# KiCad board zilpzalp.kicad_pcb
title: ilo; rev: v1.0.0; company: Unknown
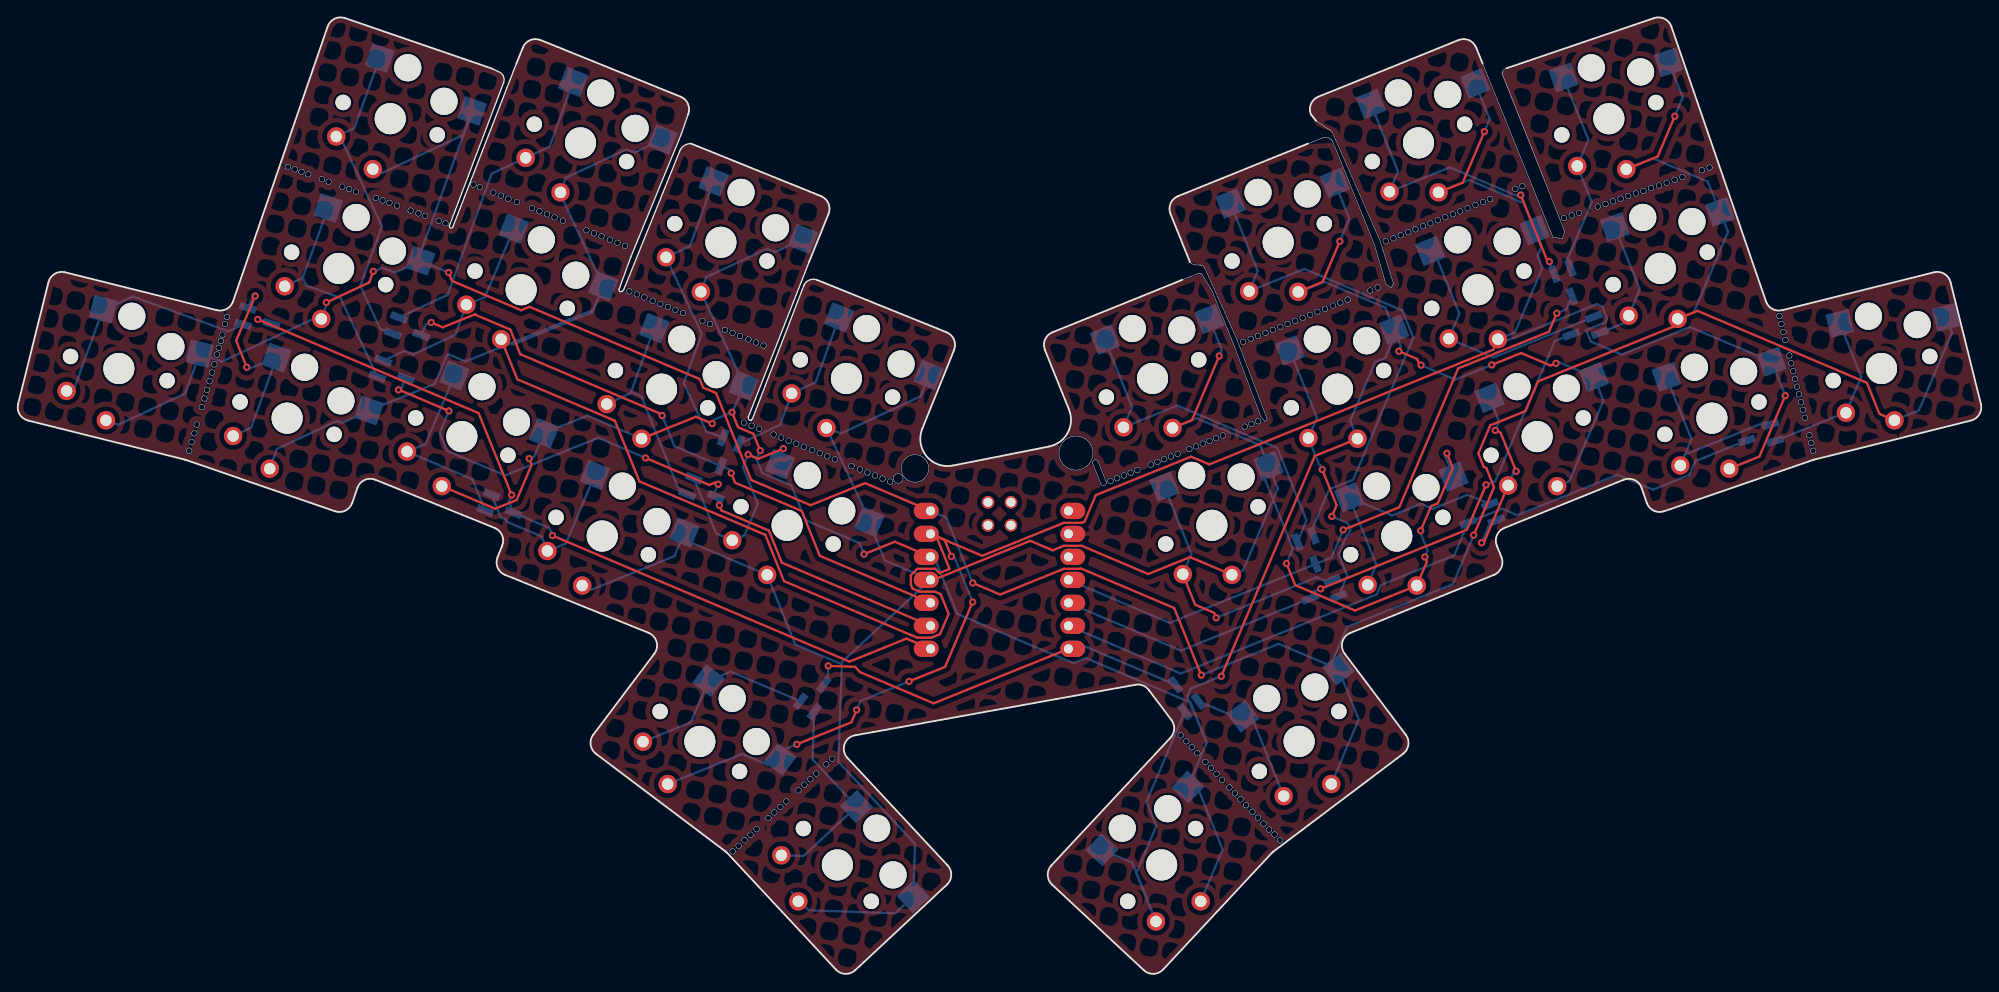
[diagram p0: board, top side]
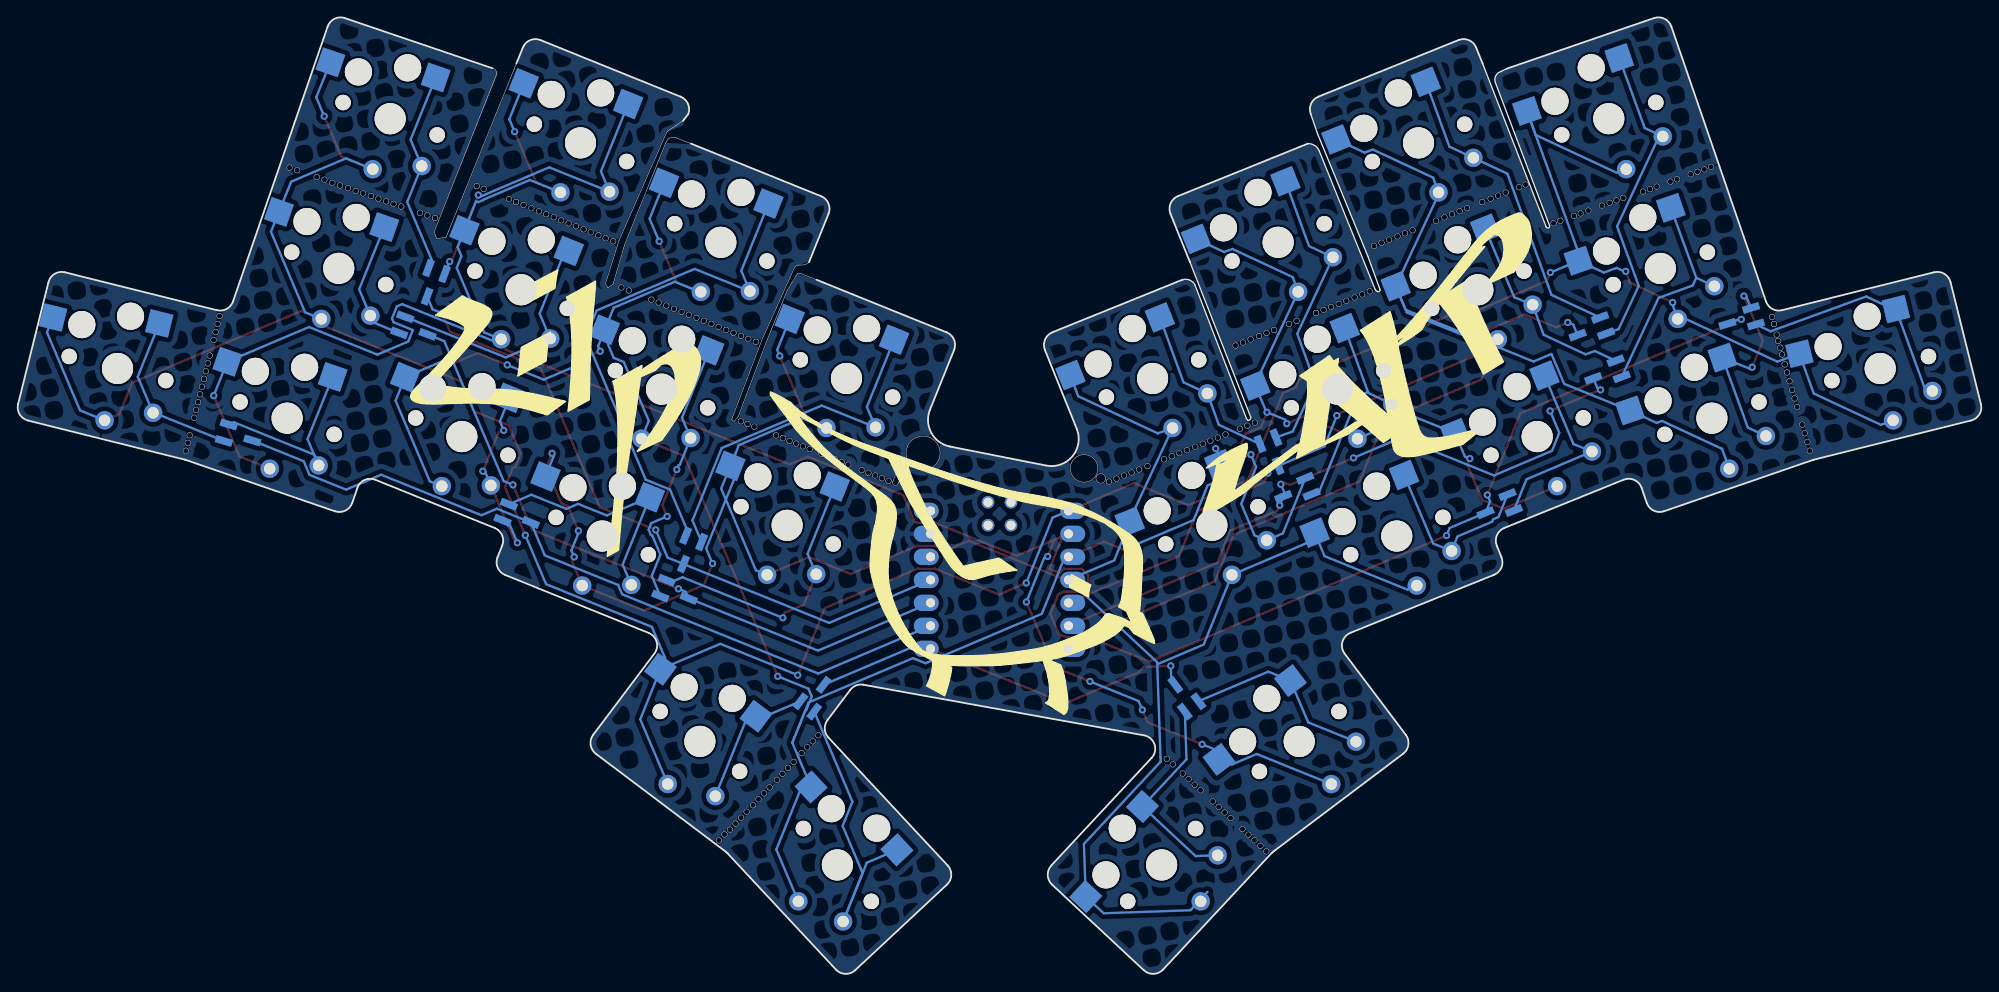
[diagram p1: board, bottom side, seen from below]

Outline 216.99 x 105.68 mm; copper layers: Top, Bottom. Coordinates in mm from the lower left corner of the outline.
Outline path: circle c18.95,57.8 r0.32 ; circle c19.22,58.77 r0.32 ; circle c19.51,59.73 r0.32 ; circle c19.79,60.69 r0.32 ; circle c20.35,62.62 r0.32 ; circle c20.63,63.58 r0.32 ; circle c20.91,64.52 r0.32 ; circle c21.2,65.48 r0.32 ; circle c21.48,66.45 r0.32 ; circle c21.73,67.34 r0.32 ; circle c22.02,68.43 r0.32 ; circle c22.22,69.18 r0.32 ; circle c22.45,69.92 r0.32 ; circle c22.61,70.62 r0.32 ; circle c22.91,71.8 r0.32 ; circle c23.12,72.58 r0.32 ; circle c29.86,89.17 r0.32 ; circle c30.61,88.89 r0.32 ; circle c31.36,88.62 r0.32 ; circle c32.11,88.34 r0.32 ; circle c33.62,87.8 r0.32 ; circle c34.37,87.52 r0.32 ; circle c35.87,86.98 r0.32 ; circle c36.62,86.7 r0.32 ; circle c37.37,86.43 r0.32 ; circle c39.57,85.74 r0.32 ; circle c40.32,85.46 r0.32 ; circle c41.07,85.19 r0.32 ; circle c41.92,84.88 r0.32 ; circle c43.42,84.33 r0.32 ; circle c44.27,84.03 r0.32 ; circle c45.02,83.75 r0.32 ; circle c46.52,83.21 r0.32 ; circle c47.28,82.93 r0.32 ; circle c50.36,87.21 r0.32 ; circle c51.07,86.92 r0.32 ; circle c52.56,86.32 r0.32 ; circle c53.39,85.98 r0.32 ; circle c54.22,85.65 r0.32 ; circle c55.15,85.27 r0.32 ; circle c56.82,84.6 r0.32 ; circle c57.66,84.26 r0.32 ; circle c58.49,83.92 r0.32 ; circle c59.32,83.59 r0.32 ; circle c60.25,83.21 r0.32 ; circle c62.85,82.16 r0.32 ; circle c63.68,81.83 r0.32 ; circle c64.52,81.49 r0.32 ; circle c65.44,81.11 r0.32 ; circle c66.28,80.78 r0.32 ; circle c67.11,80.44 r0.32 ; circle c67.58,75.42 r0.32 ; circle c68.42,75.08 r0.32 ; circle c69.25,74.74 r0.32 ; circle c70.18,74.37 r0.32 ; circle c71.01,74.03 r0.32 ; circle c71.85,73.69 r0.32 ; circle c72.68,73.36 r0.32 ; circle c73.51,73.02 r0.32 ; circle c75.66,72.15 r0.32 ; circle c76.5,71.81 r0.32 ; circle c78.15,71.14 r0.32 ; circle c78.99,70.81 r0.32 ; circle c79.01,13.54 r0.32 ; circle c79.67,14.15 r0.32 ; circle c79.82,70.47 r0.32 ; circle c80.27,60.91 r0.32 ; circle c80.33,14.77 r0.32 ; circle c80.75,70.1 r0.32 ; circle c80.98,15.38 r0.32 ; circle c81.1,60.57 r0.32 ; circle c81.58,69.76 r0.32 ; circle c81.64,15.99 r0.32 ; circle c81.94,60.23 r0.32 ; circle c82.42,69.42 r0.32 ; circle c82.96,17.22 r0.32 ; circle c83.53,59.59 r0.32 ; circle c83.62,17.83 r0.32 ; circle c84.27,18.45 r0.32 ; circle c84.36,59.25 r0.32 ; circle c84.93,19.06 r0.32 ; circle c85.2,58.91 r0.32 ; circle c86.03,58.58 r0.32 ; circle c86.27,20.29 r0.32 ; circle c86.87,58.24 r0.32 ; circle c86.93,20.9 r0.32 ; circle c87.59,21.52 r0.32 ; circle c87.79,57.87 r0.32 ; circle c88.25,22.13 r0.32 ; circle c88.63,57.53 r0.32 ; circle c89.34,23.15 r0.32 ; circle c89.46,57.19 r0.32 ; circle c90,23.77 r0.32 ; circle c90.3,56.85 r0.32 ; circle c92.14,56.11 r0.32 ; circle c93.06,55.74 r0.32 ; circle c93.9,55.4 r0.32 ; circle c94.73,55.06 r0.32 ; circle c95.57,54.72 r0.32 ; circle c96.4,54.39 r0.32 ; circle c97.3,54.74 r0.53 ; circle c99.15,55.85 r1.53 ; circle c116.94,57.54 r1.88 ; circle c120.76,54.47 r0.32 ; circle c121.5,54.77 r0.32 ; circle c122.24,55.07 r0.32 ; circle c122.98,55.37 r0.32 ; circle c123.72,55.67 r0.32 ; circle c125.21,56.27 r0.32 ; circle c125.95,56.57 r0.32 ; circle c126.69,56.86 r0.32 ; circle c127.43,57.16 r0.32 ; circle c128.17,57.46 r0.32 ; circle c128.52,26.36 r0.32 ; circle c129.13,25.7 r0.32 ; circle c129.47,57.99 r0.32 ; circle c129.74,25.04 r0.32 ; circle c130.21,58.29 r0.32 ; circle c130.36,24.39 r0.32 ; circle c130.96,58.59 r0.32 ; circle c131.25,23.42 r0.32 ; circle c131.7,58.89 r0.32 ; circle c131.86,22.77 r0.32 ; circle c132.44,59.19 r0.32 ; circle c132.48,22.11 r0.32 ; circle c133.09,21.45 r0.32 ; circle c133.18,59.49 r0.32 ; circle c133.89,20.61 r0.32 ; circle c134.51,19.95 r0.32 ; circle c135.12,19.29 r0.32 ; circle c135.42,69.83 r0.32 ; circle c135.59,60.46 r0.32 ; circle c135.74,18.64 r0.32 ; circle c136.25,70.17 r0.32 ; circle c136.33,60.76 r0.32 ; circle c136.44,17.92 r0.32 ; circle c137.05,17.26 r0.32 ; circle c137.06,70.49 r0.32 ; circle c137.07,61.06 r0.32 ; circle c137.67,16.6 r0.32 ; circle c137.89,70.83 r0.32 ; circle c138.28,15.94 r0.32 ; circle c138.7,71.15 r0.32 ; circle c138.89,15.41 r0.32 ; circle c139.5,14.75 r0.32 ; circle c139.53,71.49 r0.32 ; circle c140.33,71.81 r0.32 ; circle c141.17,72.15 r0.32 ; circle c141.99,72.48 r0.32 ; circle c142.82,72.82 r0.32 ; circle c143.63,73.14 r0.32 ; circle c144.46,73.48 r0.32 ; circle c145.33,73.83 r0.32 ; circle c146.16,74.17 r0.32 ; circle c146.96,74.49 r0.32 ; circle c149.45,75.5 r0.32 ; circle c150.29,75.84 r0.32 ; circle c151.19,80.94 r0.32 ; circle c152.02,81.28 r0.32 ; circle c152.82,81.61 r0.32 ; circle c153.66,81.94 r0.32 ; circle c154.46,82.27 r0.32 ; circle c155.3,82.61 r0.32 ; circle c156.1,82.93 r0.32 ; circle c156.93,83.27 r0.32 ; circle c157.75,83.6 r0.32 ; circle c158.59,83.94 r0.32 ; circle c159.39,84.26 r0.32 ; circle c160.23,84.6 r0.32 ; circle c161.09,84.95 r0.32 ; circle c161.93,85.28 r0.32 ; circle c162.7,85.6 r0.32 ; circle c165.5,86.73 r0.32 ; circle c166.27,87.04 r0.32 ; circle c170.87,83.51 r0.32 ; circle c171.72,83.81 r0.32 ; circle c172.54,84.09 r0.32 ; circle c174.61,84.78 r0.32 ; circle c175.46,85.07 r0.32 ; circle c176.28,85.36 r0.32 ; circle c177.13,85.65 r0.32 ; circle c177.97,85.94 r0.32 ; circle c178.82,86.23 r0.32 ; circle c179.64,86.51 r0.32 ; circle c180.49,86.81 r0.32 ; circle c181.37,87.11 r0.32 ; circle c182.22,87.4 r0.32 ; circle c183.1,87.74 r0.32 ; circle c183.95,88.03 r0.32 ; circle c186.11,88.79 r0.32 ; circle c186.96,89.09 r0.32 ; circle c194.68,72.69 r0.32 ; circle c194.9,71.81 r0.32 ; circle c195.12,70.91 r0.32 ; circle c195.34,70.03 r0.32 ; circle c195.77,68.32 r0.32 ; circle c195.98,67.46 r0.32 ; circle c196.2,66.59 r0.32 ; circle c196.41,65.75 r0.32 ; circle c196.63,64.88 r0.32 ; circle c196.84,64.03 r0.32 ; circle c197.06,63.16 r0.32 ; circle c197.27,62.32 r0.32 ; circle c197.48,61.45 r0.32 ; circle c197.99,59.51 r0.32 ; circle c198.19,58.67 r0.32 ; circle c198.41,57.8 r0.32 ; 0.04,62.96 3.4,76.42 arc(4.08,77.35) 5.22,77.52 22.01,73.33 arc(23.09,73.47) 23.79,74.3 34.25,104.67 arc(35.01,105.53) 36.16,105.6 52.44,100.01 53.08,99.7 arc(53.65,99.22) 53.69,98.47 47.71,82.67 arc(47.83,82.41) 48.09,82.53 55.11,100.58 55.82,102.34 arc(56.63,103.16) 57.77,103.17 73.26,96.92 arc(74.08,96.11) 74.09,94.96 73.34,92.81 67.75,79.2 66.45,75.63 arc(66.53,75.4) 66.78,75.42 66.96,75.56 73.18,90.95 arc(73.67,91.53) 74.4,91.74 88.77,85.93 arc(89.59,85.12) 89.6,83.98 87.45,78.64 80.75,61.56 arc(80.78,61.27) 81.05,61.15 81.21,61.37 86.9,76.11 arc(87.48,76.65) 88.28,76.69 102.65,70.89 arc(103.47,70.08) 103.48,68.93 99.96,60.23 arc(100.43,57.19) 103.32,56.16 113.98,58.27 arc(116.04,59.78) 116.18,62.34 113.51,68.93 arc(113.52,70.08) 114.34,70.89 128.71,76.69 130.52,77.41 arc(130.7,77.41) 130.85,77.33 131.96,75.5 134.3,69.7 137.36,61.61 137.8,61.03 138.09,61.26 134.79,69.95 131.13,78.07 arc(130.93,78.24) 130.67,78.32 130.17,78.33 arc(129.83,78.43) 129.54,78.64 127.39,83.98 arc(127.4,85.12) 128.22,85.93 142.59,91.74 144.35,92.43 arc(144.94,92.34) 145.34,91.9 149.93,80.54 151.2,76.2 151.79,75.8 152.03,76.27 150.55,81.01 145.31,92.91 arc(145.05,93.2) 144.72,93.4 143.47,94.26 142.9,94.96 arc(142.91,96.11) 143.73,96.92 159.22,103.17 arc(160.36,103.16) 161.17,102.34 161.88,100.58 169.65,81.39 170.69,81.22 170.97,81.98 164.12,99.26 arc(164.08,99.63) 164.27,99.94 164.52,100.06 180.83,105.6 arc(181.97,105.53) 182.74,104.67 193.19,74.3 arc(193.9,73.47) 194.98,73.33 211.77,77.52 arc(212.9,77.35) 213.59,76.42 216.94,62.96 arc(216.77,61.82) 215.85,61.14 198.51,56.82 arc(198.45,56.8) 198.39,56.78 181.93,51.11 arc(180.78,51.18) 180.02,52.04 179.45,53.7 arc(178.66,54.57) 177.47,54.6 164.28,49.27 arc(163.46,48.46) 163.45,47.31 163.96,46.04 arc(163.95,44.89) 163.13,44.09 147.27,37.68 arc(146.39,36.69) 146.63,35.38 153.39,26.42 arc(153.68,25.31) 153.09,24.32 138.76,13.52 arc(138.66,13.44) 138.57,13.35 126.57,0.48 arc(125.52,0) 124.45,0.4 114.3,9.87 arc(113.82,10.91) 114.23,11.99 127.4,26.11 arc(127.8,27.06) 127.5,28.04 124.99,31.38 arc(124.34,31.87) 123.52,31.95 92.52,26.36 arc(91.36,25.36) 91.69,23.86 102.76,11.99 arc(103.16,10.91) 102.69,9.87 92.54,0.4 arc(91.47,0) 90.42,0.48 78.42,13.35 arc(78.33,13.44) 78.23,13.52 63.9,24.32 arc(63.31,25.31) 63.6,26.42 70.35,35.38 arc(70.6,36.69) 69.72,37.68 53.85,44.09 arc(53.04,44.89) 53.03,46.04 53.54,47.31 arc(53.53,48.46) 52.71,49.27 39.52,54.6 arc(38.33,54.57) 37.54,53.7 36.97,52.04 arc(36.21,51.18) 35.06,51.11 18.6,56.78 arc(18.54,56.8) 18.48,56.82 1.14,61.14 arc(0.21,61.82) 0.04,62.96 ; 118.8,56.37 arc(118.97,56.78) 119.39,56.61 120.29,54.37 arc(120.11,53.97) 119.71,54.13 118.8,56.37

## Placement (name value [footprint] x y rotation side)
D01  BAV70_Small  [SOT-23_Handsoldering#3]  43.19 71.1 339.5 bottom
D02  BAV70_Small  [SOT-23_Handsoldering]  78.26 57.51 248 bottom
D03  BAV70_Small  [SOT-23_Handsoldering#3]  41.47 66.33 339.5 bottom
D04  BAV70_Small  [SOT-23_Handsoldering#2]  75.74 53.31 338 bottom
D05  BAV70_Small  [SOT-23_Handsoldering#3]  26.6 72.24 343.5 bottom
D06  BAV70_Small  [SOT-23_Handsoldering#2]  53.39 51.51 338 bottom
D07  BAV70_Small  [SOT-23_Handsoldering#2]  88.16 30.74 53 bottom
D08  BAV70_Small  [SOT-23_Handsoldering#2]  128.82 30.75 127 bottom
D09  BAV70_Small  [SOT-23_Handsoldering#2]  161.67 50.44 202 bottom
D10  BAV70_Small  [SOT-23_Handsoldering#2]  192.49 59.37 196.5 bottom
D11  BAV70_Small  [SOT-23_Handsoldering#2]  144.23 42.06 202 bottom
D12  BAV70_Small  [SOT-23_Handsoldering#2]  173.09 71.18 200.5 bottom
D13  BAV70_Small  [SOT-23_Handsoldering]  142.85 46.68 292 bottom
D14  BAV70_Small  [SOT-23_Handsoldering#4]  171.22 76.26 290.5 bottom
SW1  SW_Push  [SW_Kailh_choc_hs_plus_solder_no_silk#5]  41.16 94.49 341 top
SW2  SW_Push  [SW_Kailh_choc_hs_plus_solder_no_silk]  62.19 91.81 338 top
SW3  SW_Push  [SW_Kailh_choc_hs_plus_solder_no_silk]  77.7 80.83 338 top
SW4  SW_Push  [SW_Kailh_choc_hs_plus_solder_no_silk]  91.58 65.78 338 top
SW5  SW_Push  [SW_Kailh_choc_hs_plus_solder_no_silk#5]  35.46 77.94 341 top
SW6  SW_Push  [SW_Kailh_choc_hs_plus_solder_no_silk]  55.63 75.59 338 top
SW7  SW_Push  [SW_Kailh_choc_hs_plus_solder_no_silk]  71.14 64.6 338 top
SW8  SW_Push  [SW_Kailh_choc_hs_plus_solder_no_silk]  85.02 49.56 338 top
SW9  SW_Push  [SW_Kailh_choc_hs_plus_solder_no_silk#6]  11.17 66.88 346 top
SW10  SW_Push  [SW_Kailh_choc_hs_plus_solder_no_silk#5]  29.77 61.4 341 top
SW11  SW_Push  [SW_Kailh_choc_hs_plus_solder_no_silk]  49.08 59.36 338 top
SW12  SW_Push  [SW_Kailh_choc_hs_plus_solder_no_silk]  64.59 48.38 338 top
SW13  SW_Push  [SW_Kailh_choc_hs_plus_solder_no_silk#3]  75.37 25.68 323 top
SW14  SW_Push  [SW_Kailh_choc_hs_plus_solder_no_silk#2]  90.57 12.04 313 top
SW15  SW_Push  [SW_Kailh_choc_hs_plus_solder_no_silk#2]  126.41 12.04 47 top
SW16  SW_Push  [SW_Kailh_choc_hs_plus_solder_no_silk#7]  141.6 25.69 37 top
SW17  SW_Push  [SW_Kailh_choc_hs_plus_solder_no_silk#3]  152.39 48.38 22 top
SW18  SW_Push  [SW_Kailh_choc_hs_plus_solder_no_silk#3]  167.9 59.36 22 top
SW19  SW_Push  [SW_Kailh_choc_hs_plus_solder_no_silk#4]  187.21 61.4 19 top
SW20  SW_Push  [SW_Kailh_choc_hs_plus_solder_no_silk#4]  205.96 66.89 14 top
SW21  SW_Push  [SW_Kailh_choc_hs_plus_solder_no_silk#3]  131.96 49.56 22 top
SW22  SW_Push  [SW_Kailh_choc_hs_plus_solder_no_silk#3]  145.83 64.6 22 top
SW23  SW_Push  [SW_Kailh_choc_hs_plus_solder_no_silk#3]  161.35 75.59 22 top
SW24  SW_Push  [SW_Kailh_choc_hs_plus_solder_no_silk#4]  181.51 77.95 19 top
SW25  SW_Push  [SW_Kailh_choc_hs_plus_solder_no_silk#3]  125.4 65.79 22 top
SW26  SW_Push  [SW_Kailh_choc_hs_plus_solder_no_silk#3]  139.29 80.82 22 top
SW27  SW_Push  [SW_Kailh_choc_hs_plus_solder_no_silk#3]  154.79 91.82 22 top
SW28  SW_Push  [SW_Kailh_choc_hs_plus_solder_no_silk#4]  175.83 94.48 19 top
U1  xiao  [xiao-tht]  108.49 43.53 0 top

## Library data of the parts
D01 D02 D03 D04 D05 D06 D07 D08 D09-D14 = -: Description: Dual 100V 215mA high-speed switching diodes, common cathode, SOT-23
SW1-SW28 = -: Description: Push button switch, generic, two pins

## Footprints (pads in the part's own frame, mm; a bottom-side part is the same pattern mirrored in y, then rotated)
SOT-23_Handsoldering
  rect 1.9x0.8 smd: 1(-1.5,0.95) 2(-1.5,-0.95) 3(1.5,0)
SOT-23_Handsoldering#2
  rect 1.9x0.8 smd: 1(-1.5,0.95) 2(-1.5,-0.95) 3(1.5,0)
SOT-23_Handsoldering#3
  rect 1.9x0.8 smd: 1(-1.5,0.95) 2(-1.5,-0.95) 3(1.5,0)
SOT-23_Handsoldering#4
  rect 1.9x0.8 smd: 1(-1.5,0.95) 2(-1.5,-0.95) 3(1.5,0)
SW_Kailh_choc_hs_plus_solder_no_silk
  round 1.702 hole 1.702 unplated: (-5.5,0) (5.5,0)
  round 3 hole 3 unplated: (0,5.95) (5,3.75)
  round 3.429 hole 3.429 unplated: (0,0)
  round 2.032 hole 1.27: 1(0,-5.9) 2(-5,-3.8)
  rect 2.6x2.6 smd far side: 1(8.275,3.75) 2(-3.275,5.95)
SW_Kailh_choc_hs_plus_solder_no_silk#2
  round 1.702 hole 1.702 unplated: (-5.5,0) (5.5,0)
  round 3 hole 3 unplated: (0,5.95) (5,3.75)
  round 3.429 hole 3.429 unplated: (0,0)
  round 2.032 hole 1.27: 1(0,-5.9) 2(-5,-3.8)
  rect 2.6x2.6 smd far side: 1(8.275,3.75) 2(-3.275,5.95)
SW_Kailh_choc_hs_plus_solder_no_silk#3
  round 1.702 hole 1.702 unplated: (-5.5,0) (5.5,0)
  round 3 hole 3 unplated: (0,5.95) (5,3.75)
  round 3.429 hole 3.429 unplated: (0,0)
  round 2.032 hole 1.27: 1(0,-5.9) 2(-5,-3.8)
  rect 2.6x2.6 smd far side: 1(8.275,3.75) 2(-3.275,5.95)
SW_Kailh_choc_hs_plus_solder_no_silk#4
  round 1.702 hole 1.702 unplated: (-5.5,0) (5.5,0)
  round 3.429 hole 3.429 unplated: (0,0)
  round 3 hole 3 unplated: (0,5.95) (5,3.75)
  round 2.032 hole 1.27: 1(0,-5.9) 2(-5,-3.8)
  rect 2.6x2.6 smd far side: 1(8.275,3.75) 2(-3.275,5.95)
SW_Kailh_choc_hs_plus_solder_no_silk#5
  round 1.702 hole 1.702 unplated: (-5.5,0) (5.5,0)
  round 3.429 hole 3.429 unplated: (0,0)
  round 3 hole 3 unplated: (0,5.95) (5,3.75)
  round 2.032 hole 1.27: 1(0,-5.9) 2(-5,-3.8)
  rect 2.6x2.6 smd far side: 1(8.275,3.75) 2(-3.275,5.95)
SW_Kailh_choc_hs_plus_solder_no_silk#6
  round 1.702 hole 1.702 unplated: (-5.5,0) (5.5,0)
  round 3 hole 3 unplated: (0,5.95) (5,3.75)
  round 3.429 hole 3.429 unplated: (0,0)
  round 2.032 hole 1.27: 1(0,-5.9) 2(-5,-3.8)
  rect 2.6x2.6 smd far side: 1(8.275,3.75) 2(-3.275,5.95)
SW_Kailh_choc_hs_plus_solder_no_silk#7
  round 1.702 hole 1.702 unplated: (-5.5,0) (5.5,0)
  round 3 hole 3 unplated: (0,5.95) (5,3.75)
  round 3.429 hole 3.429 unplated: (0,0)
  round 2.032 hole 1.27: 1(0,-5.9) 2(-5,-3.8)
  rect 2.6x2.6 smd far side: 1(8.275,3.75) 2(-3.275,5.95)
xiao-tht
  oval 2.75x1.8 hole 1: 1(-7.62,7.62) 2(-7.62,5.08) 3(-7.62,2.54) 4(-7.62,0) 5(-7.62,-2.54) 6(-7.62,-5.08) 7(-7.62,-7.62) 8(7.62,-7.62) 9(7.62,-5.08) 10(7.62,-2.54) 11(7.62,0) 12(7.62,2.54) 13(7.62,5.08) 14(7.62,7.62)
  round 1.397 hole 1.016: 15(-1.27,8.572) 16(1.27,8.572) 17(-1.27,6.032) 18(1.27,6.032)

## Nets
gnd: U1.13
c1: SW1.1 SW5.1 SW9.1 SW16.1 SW20.1 SW24.1 SW28.1 U1.1
c2: SW2.1 SW6.1 SW10.1 SW13.1 SW19.1 SW23.1 SW27.1 U1.2
c3: SW3.1 SW7.1 SW11.1 SW15.1 SW18.1 SW22.1 SW26.1 U1.3
c4: SW4.1 SW8.1 SW12.1 SW14.1 SW17.1 SW21.1 SW25.1 U1.4
r1: D01.3 D02.3 U1.5
r2: D03.3 D04.3 U1.6
r3: D05.3 D06.3 U1.7
r4: D07.3 D08.3 U1.8
r5: D09.3 D10.3 U1.9
r6: D11.3 D12.3 U1.10
r7: D13.3 D14.3 U1.11
Net-(D01-A1): D01.1 SW1.2
Net-(D01-A2): D01.2 SW2.2
Net-(D02-A1): D02.1 SW3.2
Net-(D02-A2): D02.2 SW4.2
Net-(D03-A1): D03.1 SW5.2
Net-(D03-A2): D03.2 SW6.2
Net-(D04-A1): D04.1 SW7.2
Net-(D04-A2): D04.2 SW8.2
Net-(D05-A1): D05.1 SW9.2
Net-(D05-A2): D05.2 SW10.2
Net-(D06-A1): D06.1 SW11.2
Net-(D06-A2): D06.2 SW12.2
Net-(D07-A1): D07.1 SW14.2
Net-(D07-A2): D07.2 SW13.2
Net-(D08-A1): D08.1 SW16.2
Net-(D08-A2): D08.2 SW15.2
Net-(D09-A1): D09.1 SW17.2
Net-(D09-A2): D09.2 SW18.2
Net-(D10-A1): D10.1 SW19.2
Net-(D10-A2): D10.2 SW20.2
Net-(D11-A1): D11.1 SW21.2
Net-(D11-A2): D11.2 SW22.2
Net-(D12-A1): D12.1 SW23.2
Net-(D12-A2): D12.2 SW24.2
Net-(D13-A1): D13.1 SW25.2
Net-(D13-A2): D13.2 SW26.2
Net-(D14-A1): D14.1 SW27.2
Net-(D14-A2): D14.2 SW28.2

Pads without a net: U1 12 14 15 16 17 18

## Via types
v1: diameter 0.8, hole 0.4, Top to Bottom, 58 vias

## Routing (per net, layer and track width the routed paths; a pad name or vN(x,y) marks a point on that pad's centre or on a via; arc(x,y) is an arc through that point)
c1: length 361.4
  Top w0.25: v1(47.62,77.5) 47.99,76.56 55.61,73.33 56.55,73.7 75.36,65.72 75.74,64.78 77.17,64.18 81.05,54.57 87.6,51.79 93.63,54.22 U1.1 ; v1(39.29,77.62) 38.84,76.4 v1(34.1,74.18) ; SW28.1 181.22,90.31 v1(183.11,94.76) ; v1(130.79,33.01) 127.79,40.42 117.49,44.79 117.41,44.76 115.6,44.76 108.55,41.91 v1(105.53,43.19) ; SW20.1 205.73,61.86 204.34,65.31 185.62,73.25 SW24.1 183.09,71.56 168.01,65.47 166.61,62.18 162.72,60.61 161.4,57.5 162,56.01 162.28,55.89 163.14,53.77 v1(160.89,48.46)
  Bottom w0.25: SW16.1 139.34,36.47 v1(130.79,33.01) ; SW16.1 148.19,28.13 SW16.1 ; SW16.1 145.45,34.91 146.9,38.34 158.6,43.06 v1(160.89,48.46) ; SW20.1 213.75,70.87 210.09,62.26 SW20.1 ; SW28.1 184,96.84 v1(183.11,94.76) ; v1(105.53,43.19) 102.62,50.41 U1.1 ; SW5.1 44.33,79.19 SW1.1 49.24,92.69 40.31,88.52 SW1.1 ; SW5.1 41.7,77.48 40.28,78 39.38,77.58 v1(39.29,77.62) ; SW5.1 47.59,77.49 v1(47.62,77.5) ; SW24.1 185.22,73.09 189,81.99 SW24.1 186.76,87.53 180.71,90.1 SW28.1 ; v1(34.1,74.18) 34,73.9 34.06,73.77 SW5.1 33.05,72.54 22.53,67.64 SW9.1 18.51,64.12 11.09,60.67 SW9.1
c2: length 385.7
  Top w0.25: SW27.1 159.68,87.43 v1(162.07,93.05) ; U1.2 102.42,47.95 v1(103.16,46.12) ; U1.2 101.51,48.34 102.97,44.74 101.85,44.28 101.38,44.76 99.41,44.76 98.69,44.04 98.69,43.03 98.88,42.56 99.69,42.22 101.38,42.22 101.99,41.96 102.87,39.78 101.92,37.53 100.94,37.14 99.41,37.14 84.67,43.39 82.61,48.51 68.7,54.41 65.99,61.11 55.21,65.69 SW6.1 ; U1.2 106.57,46.19 115.6,49.84 117.57,49.84 117.89,49.97 119.13,52.89 129.65,57.15 131.67,56.29 163.07,68.98 SW23.1 ; SW19.1 192.47,57.16 v1(195.32,63.89) ; v1(98.5,32.32) 102.48,33.93 v1(105.52,41.09) ; v1(86.1,25.37) 92.12,27.8 v1(92.7,29.17)
  Bottom w0.25: SW6.1 59.93,86.21 SW2.1 60.57,87.97 67.23,91.08 68.16,90.74 SW2.1 ; SW6.1 63.61,73.37 49.47,67.66 47.49,68.49 46.09,65.19 SW10.1 35.87,60.88 35.27,61.1 28.64,58.01 SW10.1 ; SW6.1 63.49,73.09 54.74,69.56 SW6.1 ; v1(162.07,93.05) 162.66,94.44 SW27.1 ; SW13.1 80.06,24.3 82.82,23.12 SW13.1 84.71,24.8 v1(86.1,25.37) ; v1(195.32,63.89) 195.33,63.9 SW19.1 184.78,71.47 177.23,68.42 173.83,69.86 173.32,71.13 175.45,71.99 175.63,72.41 175.09,73.74 174.49,73.99 164.21,69.84 SW23.1 165.45,70.88 168.47,78.01 167.95,79.31 168.37,80.3 SW23.1 166.34,85.33 166.29,85.35 166.08,85.26 165.53,85.5 165.51,85.54 160.38,87.71 SW27.1 ; v1(98.5,32.32) 93.12,30.14 v1(92.7,29.17) ; v1(103.16,46.12) 103.55,45.95 v1(105.52,41.09)
c3: length 283.4
  Top w0.25: SW7.1 74.94,61.56 v1(76.74,60.79) ; SW11.1 52.75,51.39 55.13,52.36 56.79,56.26 v1(56.52,56.93) ; v1(155.08,67.26) 154.88,67.34 154.64,67.94 v1(152.62,68.8) ; v1(78.93,62.05) 79.61,60.38 81.3,59.67 v1(82.05,57.81) ; v1(93.52,46.37) 96.92,47.75 U1.3 ; v1(133,32.88) 143.33,57.23 SW22.1 ; v1(146.1,80.94) 144.19,76.44 SW26.1 ; v1(169.99,67.46) 169.38,67.21 166.13,68.59 v1(162.88,67.28)
  Bottom w0.25: v1(169.99,67.46) 170.3,67.58 SW18.1 175.23,63.33 171.45,54.43 SW18.1 ; v1(146.1,80.94) 147.16,83.43 SW26.1 ; v1(56.52,56.93) 57.05,57.15 SW11.1 62.94,61.67 SW7.1 ; U1.3 101.36,45.87 103.82,39.77 116.66,34.32 118.05,34.89 129.59,29.99 131.39,25.54 ; v1(155.08,67.26) 158.85,65.65 v1(162.88,67.28) ; SW22.1 147.25,61.11 150,67.61 151.11,68.06 152.4,71.08 152.14,71.19 SW22.1 ; v1(82.05,57.81) 81.65,56.87 82.27,55.34 85.49,53.97 87.04,50.14 93.02,47.6 v1(93.52,46.37) ; 131.39,25.54 SW15.1 130.58,20.11 133.15,13.74 SW15.1 ; 131.39,25.54 129.95,29.1 129.84,29.14 129.24,30.64 129.61,31.51 v1(133,32.88) ; SW26.1 141.55,75.33 144.37,76.47 151.12,73.6 SW22.1 ; v1(152.62,68.8) 152.85,69.33 SW22.1 ; SW3.1 83.67,79.75 82.74,80.09 76.08,76.99 SW3.1 80.27,65.11 SW7.1 78.99,62.08 v1(78.93,62.05) 76.94,61.25 v1(76.74,60.79)
c4: length 256.4
  Top w0.25: v1(155.03,48.96) 156.19,51.69 156.92,51.98 158.58,55.91 v1(157.93,57.52) ; v1(155.49,46.07) 155.71,45.53 SW17.1 147.77,40.15 141.17,42.95 v1(140.2,45.34) ; SW21.1 129.55,46.05 124.92,44.18 117.57,47.3 115.6,47.3 114.37,46.8 111.89,47.85 101.03,43.47 U1.4 ; v1(132.77,68.27) 129.76,61.18 SW25.1
  Bottom w0.25: SW21.1 135.41,44.59 139.24,53.62 SW21.1 ; 91.06,34.21 85.92,36.39 SW8.1 74.05,47.81 SW12.1 72.56,46.15 63.42,42.46 62.38,42.91 ; 91.06,34.21 91.07,34.44 100.82,43.54 U1.4 95.82,45.68 SW8.1 94.14,50.07 SW4.1 90.99,59.72 99.8,63.83 SW4.1 ; 91.06,34.21 90.68,23.45 99.16,14.35 SW14.1 96.98,6.7 87.39,7.03 85.51,9.05 ; SW21.1 137.71,57.42 137.69,57.43 137.29,58.41 130.28,61.39 SW25.1 ; SW21.1 137.71,54.92 140.91,47 v1(140.2,45.34) ; v1(155.03,48.96) 154.97,48.83 155.8,46.79 v1(155.49,46.07) ; v1(157.93,57.52) 157.77,57.14 SW17.1 ; v1(132.77,68.27) 133.05,68.94 SW25.1
r1: length 69.9
  Top w0.25: U1.5 88.64,46.19 86.63,51.14 79.27,54.27 v1(78.84,55.33) ; v1(71.21,61.68) 71.15,61.84 55.54,68.46 54.44,71.18 50.48,72.86 46.96,71.44 v1(45.69,71.97)
  Bottom w0.25: D01.3 45.09,71.73 v1(45.69,71.97) ; v1(78.84,55.33) 78.7,55.7 D02.3 72.58,58.29 v1(71.21,61.68)
r2: length 75.4
  Top w0.25: v1(69.38,57.01) 76.41,54.02 77.01,54.27 v1(77.4,54.1) ; v1(47.65,62.19) 42.12,64.54 v1(42.07,64.52) ; v1(77.53,51.78) 77.76,51.2 83,48.98 84.43,45.43 U1.6
  Bottom w0.25: v1(77.53,51.78) 77.14,52.75 D04.3 76.98,53.12 v1(77.4,54.1) ; v1(42.07,64.52) 42.38,64.65 D03.3 ; v1(47.65,62.19) 46.63,59.79 47.43,57.79 53.84,55.07 64.14,59.23 v1(69.38,57.01)
r3: length 90.6
  Top w0.25: v1(26.52,72.32) 50.93,61.96 v1(54.58,52.92) ; U1.7 98.2,37.04 91.9,34.5 v1(59.09,48.43)
  Bottom w0.25: D05.3 26.69,72.39 v1(26.52,72.32) ; v1(54.58,52.92) 54.28,52.2 D06.3 58.75,49.26 v1(59.09,48.43)
r4: length 43.8
  Top w0.25: v1(89.57,34.03) 92.53,33.92 93.08,33.34 101.2,29.89 U1.8
  Bottom w0.25: v1(89.57,34.03) 89.51,32.36 D07.3 ; D08.3 117.37,36.42 U1.8
r5: length 84.8
  Bottom w0.25: U1.9 128.52,33.19 150.2,41.94 150.63,42.97 158.73,46.24 D09.3 164.03,51.4 165.73,50.67 176.81,55.15 180.69,53.5 184.74,55.14 185.38,56.65 D10.3
r6: length 73.3
  Top w0.25: v1(143.97,42.55) 160.15,49.08 v1(162.25,54.03)
  Bottom w0.25: D12.3 169.85,69.91 163.28,54.45 v1(162.25,54.03) ; v1(143.97,42.55) 143.14,42.21 D11.3 128.54,35.72 U1.10
r7: length 73.8
  Top w0.25: v1(146.47,49.06) 152.67,51.56 159.18,66.9 169.21,70.95 v1(170.07,72.99)
  Bottom w0.25: v1(146.47,49.06) 145.17,46 D13.3 127.31,38.78 U1.11 ; v1(170.07,72.99) 171.14,73.42 D14.3
Net-(D01-A1): length 35.5
  Bottom w0.25: D01.1 40.08,71.24 37.85,76.01 40.25,82.59 35.7,92.34 SW1.2 37.19,93.45 SW1.2
Net-(D01-A2): length 34.9
  Bottom w0.25: D01.2 47.49,75.02 52.37,88.41 SW2.2 58.77,91.4 SW2.2
Net-(D02-A1): length 33.5
  Bottom w0.25: SW3.2 74.29,80.41 SW3.2 75.59,70.72 73.6,65.27 76.09,59.93 D02.1
Net-(D02-A2): length 19.3
  Bottom w0.25: D02.2 84.25,60.67 SW4.2 88.16,65.37 SW4.2
Net-(D03-A1): length 25
  Bottom w0.25: 31.49,76.91 SW5.2 ; 31.49,76.91 31.89,76.05 35.66,74.68 D03.1 ; 31.49,76.91 SW5.2
Net-(D03-A2): length 22.7
  Bottom w0.25: SW6.2 51.61,74.76 SW6.2 48.36,70.61 43.72,68.45 42.7,68.82 D03.2
Net-(D04-A1): length 24
  Bottom w0.25: 67.77,64.29 68.9,63.81 73.12,53.36 D04.1 ; 67.77,64.29 SW7.2 ; 67.77,64.29 67.73,64.18 SW7.2
Net-(D04-A2): length 25.7
  Top w0.25: v1(84.6,58.03) 81.82,56.91 v1(80.71,57.38)
  Bottom w0.25: SW8.2 84.04,56.72 v1(84.6,58.03) ; D04.2 77.17,48.67 SW8.2 80.3,48.45 81.78,51.93 80.13,56.01 v1(80.71,57.38)
Net-(D05-A1): length 26.8
  Bottom w0.25: D05.1 23.27,71 12.71,74.84 9.59,73.39 SW9.2 6.29,64.82 SW9.2
Net-(D05-A2): length 24.1
  Top w0.25: v1(26.23,74.9) 24.13,69.95 v1(25.31,67.03)
  Bottom w0.25: v1(25.31,67.03) 25.64,66.89 SW10.2 25.79,60.36 SW10.2 ; v1(26.23,74.9) 25.95,74.78 D05.2
Net-(D06-A1): length 22
  Bottom w0.25: SW11.2 45.05,58.54 SW11.2 50.25,54.64 D06.1
Net-(D06-A2): length 19.9
  Bottom w0.25: SW12.2 60.57,47.55 SW12.2 57.88,48.33 54.05,49.95 53.94,50.23 53.36,50.48 D06.2
Net-(D07-A1): length 22.9
  Bottom w0.25: SW14.2 86.82,13.02 SW14.2 87.83,23.71 D07.1
Net-(D07-A2): length 21.7
  Bottom w0.25: D07.2 78.78,33.39 SW13.2 74.38,27.79 SW13.2
Net-(D08-A1): length 15.6
  Bottom w0.25: SW16.2 136.52,27.99 SW16.2 134.88,28.25 D08.1
Net-(D08-A2): length 35.7
  Bottom w0.25: D08.2 124.74,19.02 125.82,16.35 123.61,11.14 SW15.2 123.15,12.29 SW15.2
Net-(D09-A1): length 27.3
  Bottom w0.25: D09.1 160.22,52.94 156.35,51.38 155.05,51.93 151.88,50.65 SW17.2 150.13,45.23 SW17.2
Net-(D09-A2): length 21.2
  Top w0.25: v1(161.76,47.63) 162.05,47.75 SW18.2 ; v1(163.27,60.05) 163.86,59.8 v1(165.58,55.54)
  Bottom w0.25: SW18.2 165.31,55.43 v1(165.58,55.54) ; D09.2 162.7,49.83 v1(161.76,47.63) ; v1(163.27,60.05) 163.69,61.04 SW18.2
Net-(D10-A1): length 22
  Bottom w0.25: SW19.2 184.96,59.08 SW19.2 184.23,57.37 193.08,60.95 D10.1
Net-(D10-A2): length 19.1
  Bottom w0.25: D10.2 201.96,62.02 SW20.2 203.72,65.98 SW20.2
Net-(D11-A1): length 30.8
  Top w0.25: v1(132.43,39.34) 132.21,39.9 130.11,40.79 SW21.2
  Bottom w0.25: D11.1 144.75,43.29 143.51,43.82 v1(132.43,39.34) ; SW21.2 129.7,46.41 SW21.2
Net-(D11-A2): length 30.7
  Top w0.25: v1(144.15,55.72) 145.74,51.78 v1(145.22,50.55)
  Bottom w0.25: v1(145.22,50.55) 146.98,49.8 147.27,49.08 147.02,48.5 146.86,48.43 145.96,46.33 146.92,43.97 D11.2 ; SW22.2 143.58,61.45 SW22.2 143.82,56.25 143.96,56.19 v1(144.15,55.72)
Net-(D12-A1): length 28.1
  Bottom w0.25: SW23.2 156.14,79.9 156.57,79.72 159.3,72.94 SW23.2 163.05,68.11 D12.1
Net-(D12-A2): length 14.5
  Bottom w0.25: SW24.2 179.25,75.63 SW24.2 177.7,71.97 D12.2
Net-(D13-A1): length 40.1
  Bottom w0.25: SW25.2 123.14,62.64 SW25.2 128.13,62.79 139.19,58.1 142.42,50.1 D13.1
Net-(D13-A2): length 57.5
  Bottom w0.25: D13.2 142.96,48.93 144.91,53.52 147.58,54.6 150.63,61.79 150.62,61.81 154.22,70.28 153,73.29 142.17,77.89 SW26.2 137.03,77.67 SW26.2
Net-(D14-A1): length 35.7
  Top w0.25: v1(166.09,86.05) 169.02,78.8 v1(169.25,78.7)
  Bottom w0.25: v1(169.25,78.7) D14.1 ; SW27.2 152.53,88.67 SW27.2 158.24,89.11 165.76,85.92 v1(166.09,86.05)
Net-(D14-A2): length 22.8
  Bottom w0.25: SW28.2 173.57,92.17 SW28.2 173.94,85.28 171.23,78.88 D14.2

## Copper pours and planes (outline as drawn; the poured copper is in the pictures)
gnd on Top, Bottom: 92.74,25.31 123.74,31.11 126.34,27.31 111.24,11.31 125.84,-2.09 139.24,12.61 155.44,25.11 147.44,36.71 166.14,44.51 164.54,48.31 177.94,53.51 180.04,49.31 198.74,55.81 219.04,60.51 214.44,79.61 194.34,74.91 183.44,108.31 163.64,101.71 161.94,106.11 139.84,97.51 141.44,93.31 125.14,86.51 127.94,78.11 111.04,71.01 114.84,61.01 101.84,58.81 105.84,71.81 89.14,78.11 92.04,86.61 74.84,92.91 76.54,97.81 55.34,105.61 53.54,101.41 33.54,108.01 22.74,75.31 2.34,79.61 -2.66,60.01 17.84,55.11 37.04,48.61 38.84,52.51 52.04,48.01 51.14,43.51 68.54,36.11 60.84,26.31 77.34,12.91 91.44,-2.19 105.84,10.81
